# Altium PCB amp.PcbDoc (part 6 of 20)
Units mm, origin at the board's own origin, x right, y up, seen from the top; angles counter-clockwise.
Board outline 210 x 210 mm, 2 copper layers (Top Layer, Bottom Layer); 742 components, 1354 nets, 6402 pads, 5154 vias.
Unrouted connection lines stored in the file: 702.
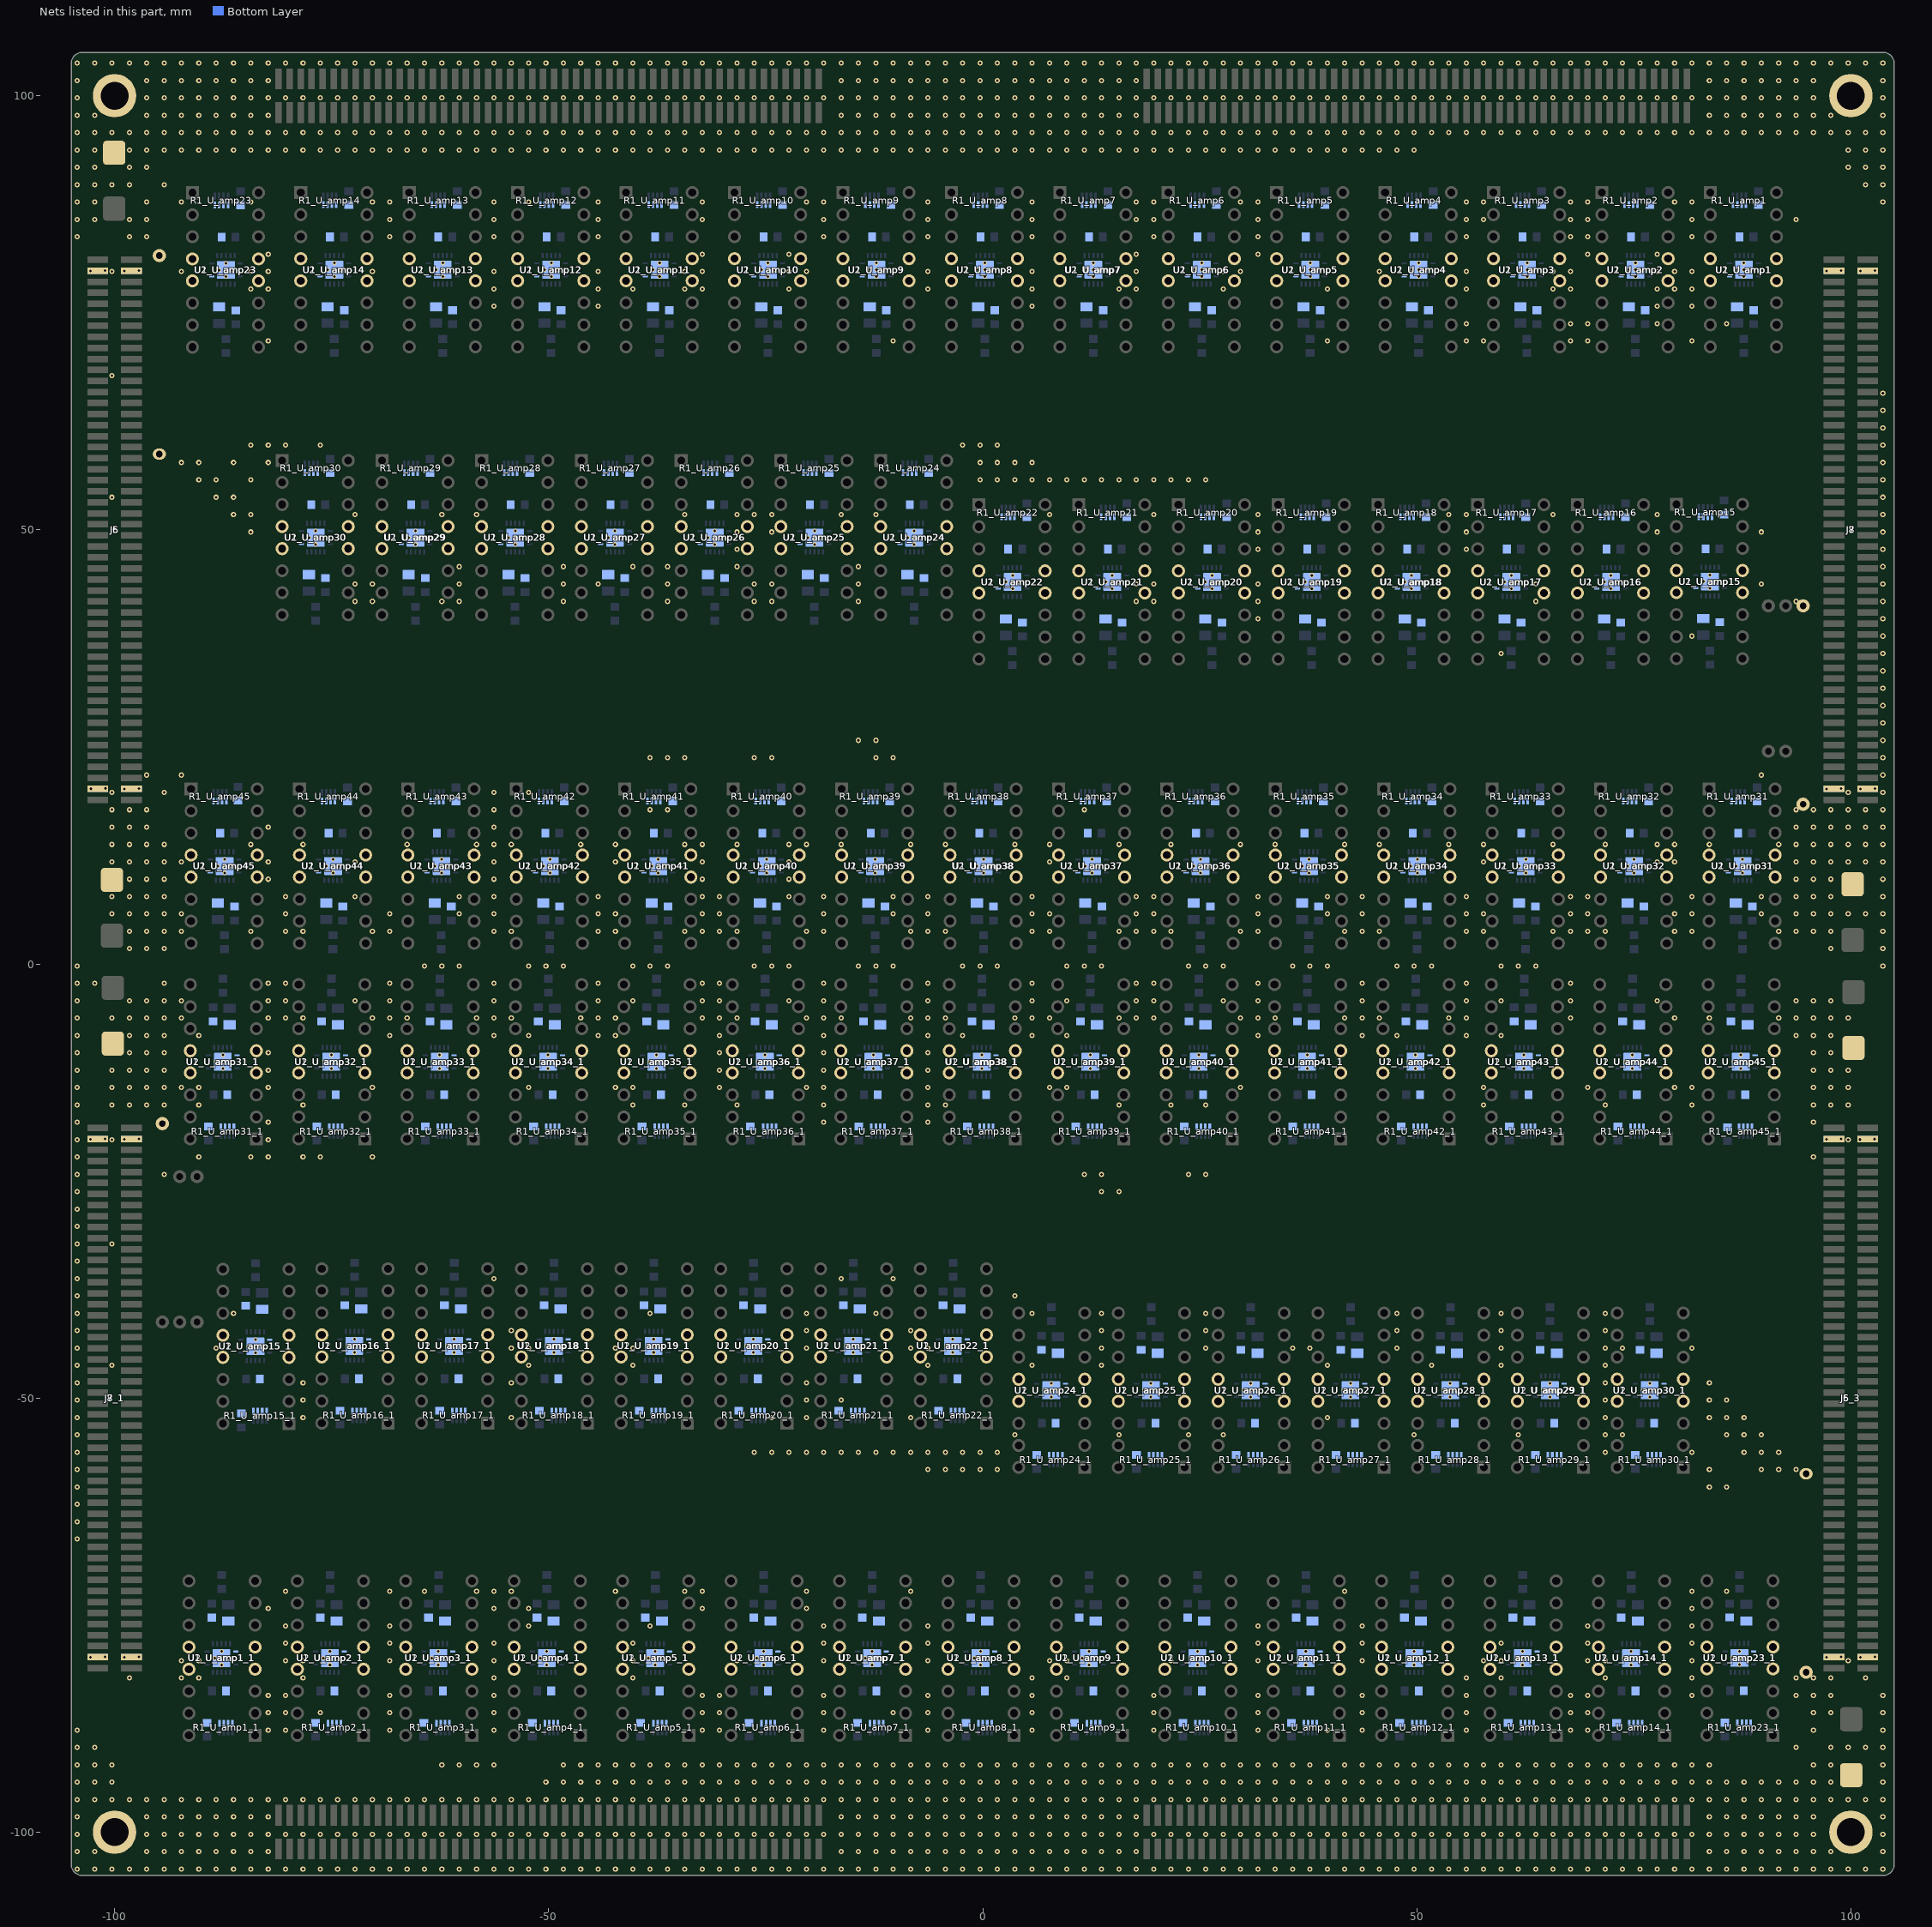
[diagram p6: the nets of this part, all layers, seen from the top]

## Via types
v1: diameter 0.6, hole 0.3, Top Layer to Bottom Layer, tented both sides, 4704 vias
v2: diameter 0.5, hole 0.3, Top Layer to Bottom Layer, 450 vias

## Nets (pads, with @x,y where several pads share a name; then routed paths per layer and width w, separated by ;. In a path a pad name is that pad's centre, name@x,y a point inside that pad or via, vN(x,y) a via of type N, cw(c..) or ccw(c..) an arc to the next point about the centre after c; other vN are vias at no path point) (continued)
GND: C1_U_amp1.1 C1_U_amp1_1.1 C1_U_amp2.1 C1_U_amp2_1.1 C1_U_amp3.1 C1_U_amp3_1.1 C1_U_amp4.1 C1_U_amp4_1.1 C1_U_amp5.1 C1_U_amp5_1.1 C1_U_amp6.1 C1_U_amp6_1.1 C1_U_amp7.1 C1_U_amp7_1.1 C1_U_amp8.1 C1_U_amp8_1.1 C1_U_amp9.1 C1_U_amp9_1.1 C1_U_amp10.1 C1_U_amp10_1.1 C1_U_amp11.1 C1_U_amp11_1.1 C1_U_amp12.1 C1_U_amp12_1.1 C1_U_amp13.1 C1_U_amp13_1.1 C1_U_amp14.1 C1_U_amp14_1.1 C1_U_amp15.1 C1_U_amp15_1.1 C1_U_amp16.1 C1_U_amp16_1.1 C1_U_amp17.1 C1_U_amp17_1.1 C1_U_amp18.1 C1_U_amp18_1.1 C1_U_amp19.1 C1_U_amp19_1.1 C1_U_amp20.1 C1_U_amp20_1.1 C1_U_amp21.1 C1_U_amp21_1.1 C1_U_amp22.1 C1_U_amp22_1.1 C1_U_amp23.1 C1_U_amp23_1.1 C1_U_amp24.1 C1_U_amp24_1.1 C1_U_amp25.1 C1_U_amp25_1.1 C1_U_amp26.1 C1_U_amp26_1.1 C1_U_amp27.1 C1_U_amp27_1.1 C1_U_amp28.1 C1_U_amp28_1.1 C1_U_amp29.1 C1_U_amp29_1.1 C1_U_amp30.1 C1_U_amp30_1.1 C1_U_amp31.1 C1_U_amp31_1.1 C1_U_amp32.1 C1_U_amp32_1.1 C1_U_amp33.1 C1_U_amp33_1.1 C1_U_amp34.1 C1_U_amp34_1.1 C1_U_amp35.1 C1_U_amp35_1.1 C1_U_amp36.1 C1_U_amp36_1.1 C1_U_amp37.1 C1_U_amp37_1.1 C1_U_amp38.1 C1_U_amp38_1.1 C1_U_amp39.1 C1_U_amp39_1.1 C1_U_amp40.1 C1_U_amp40_1.1 C1_U_amp41.1 C1_U_amp41_1.1 C1_U_amp42.1 C1_U_amp42_1.1 C1_U_amp43.1 C1_U_amp43_1.1 C1_U_amp44.1 C1_U_amp44_1.1 C1_U_amp45.1 C1_U_amp45_1.1 C2_U_amp1.1 C2_U_amp1_1.1 C2_U_amp2.1 C2_U_amp2_1.1 C2_U_amp3.1 C2_U_amp3_1.1 C2_U_amp4.1 C2_U_amp4_1.1 C2_U_amp5.1 C2_U_amp5_1.1 C2_U_amp6.1 C2_U_amp6_1.1 C2_U_amp7.1 C2_U_amp7_1.1 C2_U_amp8.1 C2_U_amp8_1.1 C2_U_amp9.1 C2_U_amp9_1.1 C2_U_amp10.1 C2_U_amp10_1.1 C2_U_amp11.1 C2_U_amp11_1.1 C2_U_amp12.1 C2_U_amp12_1.1 C2_U_amp13.1 C2_U_amp13_1.1 C2_U_amp14.1 C2_U_amp14_1.1 C2_U_amp15.1 C2_U_amp15_1.1 C2_U_amp16.1 C2_U_amp16_1.1 C2_U_amp17.1 C2_U_amp17_1.1 C2_U_amp18.1 C2_U_amp18_1.1 C2_U_amp19.1 C2_U_amp19_1.1 C2_U_amp20.1 C2_U_amp20_1.1 C2_U_amp21.1 C2_U_amp21_1.1 C2_U_amp22.1 C2_U_amp22_1.1 C2_U_amp23.1 C2_U_amp23_1.1 C2_U_amp24.1 C2_U_amp24_1.1 C2_U_amp25.1 C2_U_amp25_1.1 C2_U_amp26.1 C2_U_amp26_1.1 C2_U_amp27.1 C2_U_amp27_1.1 C2_U_amp28.1 C2_U_amp28_1.1 C2_U_amp29.1 C2_U_amp29_1.1 C2_U_amp30.1 C2_U_amp30_1.1 C2_U_amp31.1 C2_U_amp31_1.1 C2_U_amp32.1 C2_U_amp32_1.1 C2_U_amp33.1 C2_U_amp33_1.1 C2_U_amp34.1 C2_U_amp34_1.1 C2_U_amp35.1 C2_U_amp35_1.1 C2_U_amp36.1 C2_U_amp36_1.1 C2_U_amp37.1 C2_U_amp37_1.1 C2_U_amp38.1 C2_U_amp38_1.1 C2_U_amp39.1 C2_U_amp39_1.1 C2_U_amp40.1 C2_U_amp40_1.1 C2_U_amp41.1 C2_U_amp41_1.1 C2_U_amp42.1 C2_U_amp42_1.1 C2_U_amp43.1 C2_U_amp43_1.1 C2_U_amp44.1 C2_U_amp44_1.1 C2_U_amp45.1 C2_U_amp45_1.1 C3_U_amp1.1 C3_U_amp1_1.1 C3_U_amp2.1 C3_U_amp2_1.1 C3_U_amp3.1 C3_U_amp3_1.1 C3_U_amp4.1 C3_U_amp4_1.1 C3_U_amp5.1 C3_U_amp5_1.1 C3_U_amp6.1 C3_U_amp6_1.1 C3_U_amp7.1 C3_U_amp7_1.1 C3_U_amp8.1 C3_U_amp8_1.1 C3_U_amp9.1 C3_U_amp9_1.1 C3_U_amp10.1 C3_U_amp10_1.1 C3_U_amp11.1 C3_U_amp11_1.1 C3_U_amp12.1 C3_U_amp12_1.1 C3_U_amp13.1 C3_U_amp13_1.1 C3_U_amp14.1 C3_U_amp14_1.1 C3_U_amp15.1 C3_U_amp15_1.1 C3_U_amp16.1 C3_U_amp16_1.1 C3_U_amp17.1 C3_U_amp17_1.1 C3_U_amp18.1 C3_U_amp18_1.1 C3_U_amp19.1 C3_U_amp19_1.1 C3_U_amp20.1 C3_U_amp20_1.1 C3_U_amp21.1 C3_U_amp21_1.1 C3_U_amp22.1 C3_U_amp22_1.1 C3_U_amp23.1 C3_U_amp23_1.1 C3_U_amp24.1 C3_U_amp24_1.1 C3_U_amp25.1 C3_U_amp25_1.1 C3_U_amp26.1 C3_U_amp26_1.1 C3_U_amp27.1 C3_U_amp27_1.1 C3_U_amp28.1 C3_U_amp28_1.1 C3_U_amp29.1 C3_U_amp29_1.1 C3_U_amp30.1 C3_U_amp30_1.1 C3_U_amp31.1 C3_U_amp31_1.1 C3_U_amp32.1 C3_U_amp32_1.1 C3_U_amp33.1 C3_U_amp33_1.1 C3_U_amp34.1 C3_U_amp34_1.1 C3_U_amp35.1 C3_U_amp35_1.1 C3_U_amp36.1 C3_U_amp36_1.1 C3_U_amp37.1 C3_U_amp37_1.1 C3_U_amp38.1 C3_U_amp38_1.1 C3_U_amp39.1 C3_U_amp39_1.1 C3_U_amp40.1 C3_U_amp40_1.1 C3_U_amp41.1 C3_U_amp41_1.1 C3_U_amp42.1 C3_U_amp42_1.1 C3_U_amp43.1 C3_U_amp43_1.1 C3_U_amp44.1 C3_U_amp44_1.1 C3_U_amp45.1 C3_U_amp45_1.1 C4_U_amp1.1 C4_U_amp1_1.1 C4_U_amp2.1 C4_U_amp2_1.1 C4_U_amp3.1 C4_U_amp3_1.1 C4_U_amp4.1 C4_U_amp4_1.1 C4_U_amp5.1 C4_U_amp5_1.1 C4_U_amp6.1 C4_U_amp6_1.1 C4_U_amp7.1 C4_U_amp7_1.1 C4_U_amp8.1 C4_U_amp8_1.1 C4_U_amp9.1 C4_U_amp9_1.1 C4_U_amp10.1 C4_U_amp10_1.1 C4_U_amp11.1 C4_U_amp11_1.1 C4_U_amp12.1 C4_U_amp12_1.1 C4_U_amp13.1 C4_U_amp13_1.1 C4_U_amp14.1 C4_U_amp14_1.1 C4_U_amp15.1 C4_U_amp15_1.1 C4_U_amp16.1 C4_U_amp16_1.1 C4_U_amp17.1 C4_U_amp17_1.1 C4_U_amp18.1 C4_U_amp18_1.1 C4_U_amp19.1 C4_U_amp19_1.1 C4_U_amp20.1 C4_U_amp20_1.1 C4_U_amp21.1 C4_U_amp21_1.1 C4_U_amp22.1 C4_U_amp22_1.1 C4_U_amp23.1 C4_U_amp23_1.1 C4_U_amp24.1 C4_U_amp24_1.1 C4_U_amp25.1 C4_U_amp25_1.1 C4_U_amp26.1 C4_U_amp26_1.1 C4_U_amp27.1 C4_U_amp27_1.1 C4_U_amp28.1 C4_U_amp28_1.1 C4_U_amp29.1 C4_U_amp29_1.1 C4_U_amp30.1 C4_U_amp30_1.1 C4_U_amp31.1 C4_U_amp31_1.1 C4_U_amp32.1 C4_U_amp32_1.1 C4_U_amp33.1 C4_U_amp33_1.1 C4_U_amp34.1 C4_U_amp34_1.1 C4_U_amp35.1 C4_U_amp35_1.1 C4_U_amp36.1 C4_U_amp36_1.1 C4_U_amp37.1 C4_U_amp37_1.1 C4_U_amp38.1 C4_U_amp38_1.1 C4_U_amp39.1 C4_U_amp39_1.1 C4_U_amp40.1 C4_U_amp40_1.1 C4_U_amp41.1 C4_U_amp41_1.1 C4_U_amp42.1 C4_U_amp42_1.1 C4_U_amp43.1 C4_U_amp43_1.1 C4_U_amp44.1 C4_U_amp44_1.1 C4_U_amp45.1 C4_U_amp45_1.1 Designator1.1 Designator1_1.1 Designator1_2.1 Designator1_3.1 Designator1_4.1 Designator1_5.1 J5.3 J5.4 J5.97 J5.98 J5_3.3 J5_3.4 J5_3.97 J5_3.98 J6.3 J6.4 J6.97 J6.98 J6_3.3 J6_3.4 J6_3.97 J6_3.98 J7.3 J7.4 J7.97 J7.98 J7_1.3 J7_1.4 J7_1.97 J7_1.98 J8.3 J8.4 J8.97 J8.98 J8_1.3 J8_1.4 J8_1.97 J8_1.98 pad.2@94.5,18.39 pad.2@94.5,41.25 pad.2@-94.5,-18.39 pad.3@94.844,-58.725 pad.3@94.844,-81.585 pad.3@-94.844,58.725 pad.3@-94.844,81.585 pad.4 R1_U_amp1.1 R1_U_amp1.2 R1_U_amp1.3 R1_U_amp1.4 R1_U_amp1_1.1 R1_U_amp1_1.2 R1_U_amp1_1.3 R1_U_amp1_1.4 R1_U_amp2.1 R1_U_amp2.2 R1_U_amp2.3 R1_U_amp2.4 R1_U_amp2_1.1 R1_U_amp2_1.2 R1_U_amp2_1.3 R1_U_amp2_1.4 R1_U_amp3.1 R1_U_amp3.2 R1_U_amp3.3 R1_U_amp3.4 R1_U_amp3_1.1 R1_U_amp3_1.2 R1_U_amp3_1.3 R1_U_amp3_1.4 R1_U_amp4.1 R1_U_amp4.2 R1_U_amp4.3 R1_U_amp4.4 R1_U_amp4_1.1 R1_U_amp4_1.2 R1_U_amp4_1.3 R1_U_amp4_1.4 R1_U_amp5.1 R1_U_amp5.2 R1_U_amp5.3 R1_U_amp5.4 R1_U_amp5_1.1 R1_U_amp5_1.2 R1_U_amp5_1.3 R1_U_amp5_1.4 R1_U_amp6.1 R1_U_amp6.2 R1_U_amp6.3 R1_U_amp6.4 R1_U_amp6_1.1 R1_U_amp6_1.2 R1_U_amp6_1.3 R1_U_amp6_1.4 R1_U_amp7.1 R1_U_amp7.2 R1_U_amp7.3 R1_U_amp7.4 R1_U_amp7_1.1 R1_U_amp7_1.2 R1_U_amp7_1.3 R1_U_amp7_1.4 R1_U_amp8.1 R1_U_amp8.2 R1_U_amp8.3 R1_U_amp8.4 R1_U_amp8_1.1 R1_U_amp8_1.2 R1_U_amp8_1.3 R1_U_amp8_1.4 R1_U_amp9.1 R1_U_amp9.2 R1_U_amp9.3 R1_U_amp9.4 R1_U_amp9_1.1 R1_U_amp9_1.2 R1_U_amp9_1.3 R1_U_amp9_1.4 R1_U_amp10.1 R1_U_amp10.2 R1_U_amp10.3 R1_U_amp10.4 R1_U_amp10_1.1 R1_U_amp10_1.2 R1_U_amp10_1.3 R1_U_amp10_1.4 R1_U_amp11.1 R1_U_amp11.2 R1_U_amp11.3 R1_U_amp11.4 R1_U_amp11_1.1 R1_U_amp11_1.2 R1_U_amp11_1.3 R1_U_amp11_1.4 R1_U_amp12.1 R1_U_amp12.2 R1_U_amp12.3 R1_U_amp12.4 R1_U_amp12_1.1 R1_U_amp12_1.2 R1_U_amp12_1.3 R1_U_amp12_1.4 R1_U_amp13.1 R1_U_amp13.2 R1_U_amp13.3 R1_U_amp13.4 R1_U_amp13_1.1 R1_U_amp13_1.2 R1_U_amp13_1.3 R1_U_amp13_1.4 R1_U_amp14.1 R1_U_amp14.2 R1_U_amp14.3 R1_U_amp14.4 R1_U_amp14_1.1 R1_U_amp14_1.2 R1_U_amp14_1.3 R1_U_amp14_1.4 R1_U_amp15.1 R1_U_amp15.2 R1_U_amp15.3 R1_U_amp15.4 R1_U_amp15_1.1 R1_U_amp15_1.2 R1_U_amp15_1.3 R1_U_amp15_1.4 R1_U_amp16.1 R1_U_amp16.2 R1_U_amp16.3 R1_U_amp16.4 R1_U_amp16_1.1 R1_U_amp16_1.2 R1_U_amp16_1.3 R1_U_amp16_1.4 R1_U_amp17.1 R1_U_amp17.2 R1_U_amp17.3 R1_U_amp17.4 R1_U_amp17_1.1 R1_U_amp17_1.2 R1_U_amp17_1.3 R1_U_amp17_1.4 R1_U_amp18.1 R1_U_amp18.2 R1_U_amp18.3 R1_U_amp18.4 R1_U_amp18_1.1 R1_U_amp18_1.2 R1_U_amp18_1.3 R1_U_amp18_1.4 R1_U_amp19.1 R1_U_amp19.2 R1_U_amp19.3 R1_U_amp19.4 R1_U_amp19_1.1 R1_U_amp19_1.2 R1_U_amp19_1.3 R1_U_amp19_1.4 R1_U_amp20.1 R1_U_amp20.2 R1_U_amp20.3 R1_U_amp20.4 R1_U_amp20_1.1 R1_U_amp20_1.2 R1_U_amp20_1.3 R1_U_amp20_1.4 R1_U_amp21.1 R1_U_amp21.2 R1_U_amp21.3 R1_U_amp21.4 R1_U_amp21_1.1 R1_U_amp21_1.2 R1_U_amp21_1.3 R1_U_amp21_1.4 R1_U_amp22.1 R1_U_amp22.2 R1_U_amp22.3 R1_U_amp22.4 R1_U_amp22_1.1 R1_U_amp22_1.2 R1_U_amp22_1.3 R1_U_amp22_1.4 R1_U_amp23.1 R1_U_amp23.2 R1_U_amp23.3 R1_U_amp23.4 R1_U_amp23_1.1 R1_U_amp23_1.2 R1_U_amp23_1.3 R1_U_amp23_1.4 R1_U_amp24.1 R1_U_amp24.2 R1_U_amp24.3 R1_U_amp24.4 R1_U_amp24_1.1 R1_U_amp24_1.2 R1_U_amp24_1.3 R1_U_amp24_1.4 R1_U_amp25.1 R1_U_amp25.2 R1_U_amp25.3 R1_U_amp25.4 R1_U_amp25_1.1 R1_U_amp25_1.2 R1_U_amp25_1.3 R1_U_amp25_1.4 R1_U_amp26.1 R1_U_amp26.2 R1_U_amp26.3 R1_U_amp26.4 R1_U_amp26_1.1 R1_U_amp26_1.2 R1_U_amp26_1.3 R1_U_amp26_1.4 R1_U_amp27.1 R1_U_amp27.2 R1_U_amp27.3 R1_U_amp27.4 R1_U_amp27_1.1 R1_U_amp27_1.2 R1_U_amp27_1.3 R1_U_amp27_1.4 R1_U_amp28.1 R1_U_amp28.2 R1_U_amp28.3 R1_U_amp28.4 R1_U_amp28_1.1 R1_U_amp28_1.2 R1_U_amp28_1.3 R1_U_amp28_1.4 R1_U_amp29.1 R1_U_amp29.2 R1_U_amp29.3 R1_U_amp29.4 R1_U_amp29_1.1 R1_U_amp29_1.2 R1_U_amp29_1.3 R1_U_amp29_1.4 R1_U_amp30.1 R1_U_amp30.2 R1_U_amp30.3 R1_U_amp30.4 R1_U_amp30_1.1 R1_U_amp30_1.2 R1_U_amp30_1.3 R1_U_amp30_1.4 R1_U_amp31.1 R1_U_amp31.2 R1_U_amp31.3 R1_U_amp31.4 R1_U_amp31_1.1 R1_U_amp31_1.2 R1_U_amp31_1.3 R1_U_amp31_1.4 R1_U_amp32.1 R1_U_amp32.2 R1_U_amp32.3 R1_U_amp32.4 R1_U_amp32_1.1 R1_U_amp32_1.2 R1_U_amp32_1.3 R1_U_amp32_1.4 R1_U_amp33.1 R1_U_amp33.2 R1_U_amp33.3 R1_U_amp33.4 R1_U_amp33_1.1 R1_U_amp33_1.2 R1_U_amp33_1.3 R1_U_amp33_1.4 R1_U_amp34.1 R1_U_amp34.2 R1_U_amp34.3 R1_U_amp34.4 R1_U_amp34_1.1 R1_U_amp34_1.2 R1_U_amp34_1.3 R1_U_amp34_1.4 R1_U_amp35.1 R1_U_amp35.2 R1_U_amp35.3 R1_U_amp35.4 R1_U_amp35_1.1 R1_U_amp35_1.2 R1_U_amp35_1.3 R1_U_amp35_1.4 R1_U_amp36.1 R1_U_amp36.2 R1_U_amp36.3 R1_U_amp36.4 R1_U_amp36_1.1 R1_U_amp36_1.2 R1_U_amp36_1.3 R1_U_amp36_1.4 R1_U_amp37.1 R1_U_amp37.2 R1_U_amp37.3 R1_U_amp37.4 R1_U_amp37_1.1 R1_U_amp37_1.2 R1_U_amp37_1.3 R1_U_amp37_1.4 R1_U_amp38.1 R1_U_amp38.2 R1_U_amp38.3 R1_U_amp38.4 R1_U_amp38_1.1 R1_U_amp38_1.2 R1_U_amp38_1.3 R1_U_amp38_1.4 R1_U_amp39.1 R1_U_amp39.2 R1_U_amp39.3 R1_U_amp39.4 R1_U_amp39_1.1 R1_U_amp39_1.2 R1_U_amp39_1.3 R1_U_amp39_1.4 R1_U_amp40.1 R1_U_amp40.2 R1_U_amp40.3 R1_U_amp40.4 R1_U_amp40_1.1 R1_U_amp40_1.2 R1_U_amp40_1.3 R1_U_amp40_1.4 R1_U_amp41.1 R1_U_amp41.2 R1_U_amp41.3 R1_U_amp41.4 R1_U_amp41_1.1 R1_U_amp41_1.2 R1_U_amp41_1.3 R1_U_amp41_1.4 R1_U_amp42.1 R1_U_amp42.2 R1_U_amp42.3 R1_U_amp42.4 R1_U_amp42_1.1 R1_U_amp42_1.2 R1_U_amp42_1.3 R1_U_amp42_1.4 R1_U_amp43.1 R1_U_amp43.2 R1_U_amp43.3 R1_U_amp43.4 R1_U_amp43_1.1 R1_U_amp43_1.2 R1_U_amp43_1.3 R1_U_amp43_1.4 R1_U_amp44.1 R1_U_amp44.2 R1_U_amp44.3 R1_U_amp44.4 R1_U_amp44_1.1 R1_U_amp44_1.2 R1_U_amp44_1.3 R1_U_amp44_1.4 R1_U_amp45.1 R1_U_amp45.2 R1_U_amp45.3 R1_U_amp45.4 R1_U_amp45_1.1 R1_U_amp45_1.2 R1_U_amp45_1.3 R1_U_amp45_1.4 U1_U_amp1.7 U1_U_amp1.15@87.687,79.955 U1_U_amp1_1.7 U1_U_amp1_1.15@-87.687,-79.955 U1_U_amp2.7 U1_U_amp2.15@75.197,79.955 U1_U_amp2_1.7 U1_U_amp2_1.15@-75.197,-79.955 U1_U_amp3.7 U1_U_amp3.15@62.707,79.955 U1_U_amp3_1.7 U1_U_amp3_1.15@-62.707,-79.955 U1_U_amp4.7 U1_U_amp4.15@50.217,79.955 U1_U_amp4_1.7 U1_U_amp4_1.15@-50.217,-79.955 U1_U_amp5.7 U1_U_amp5.15@37.727,79.955 U1_U_amp5_1.7 U1_U_amp5_1.15@-37.727,-79.955 U1_U_amp6.7 U1_U_amp6.15@25.236,79.955 U1_U_amp6_1.7 U1_U_amp6_1.15@-25.236,-79.955 U1_U_amp7.7 U1_U_amp7.15@12.746,79.955 U1_U_amp7_1.7 U1_U_amp7_1.15@-12.746,-79.955 U1_U_amp8.7 U1_U_amp8.15@0.256,79.955 U1_U_amp8_1.7 U1_U_amp8_1.15@-0.256,-79.955 U1_U_amp9.7 U1_U_amp9.15@-12.234,79.955 U1_U_amp9_1.7 U1_U_amp9_1.15@12.234,-79.955 U1_U_amp10.7 U1_U_amp10.15@-24.724,79.955 U1_U_amp10_1.7 U1_U_amp10_1.15@24.724,-79.955 U1_U_amp11.7 U1_U_amp11.15@-37.215,79.955 U1_U_amp11_1.7 U1_U_amp11_1.15@37.215,-79.955 U1_U_amp12.7 U1_U_amp12.15@-49.705,79.955 U1_U_amp12_1.7 U1_U_amp12_1.15@49.705,-79.955 U1_U_amp13.7 U1_U_amp13.15@-62.195,79.955 U1_U_amp13_1.7 U1_U_amp13_1.15@62.195,-79.955 U1_U_amp14.7 U1_U_amp14.15@-74.685,79.955 U1_U_amp14_1.7 U1_U_amp14_1.15@74.685,-79.955 U1_U_amp15.7 U1_U_amp15.15@83.775,44.039 U1_U_amp15_1.7 U1_U_amp15_1.15@-83.775,-44.039 U1_U_amp16.7 U1_U_amp16.15@72.377,43.995 U1_U_amp16_1.7 U1_U_amp16_1.15@-72.377,-43.995 U1_U_amp17.7 U1_U_amp17.15@60.887,43.995 U1_U_amp17_1.7 U1_U_amp17_1.15@-60.887,-43.995 U1_U_amp18.7 U1_U_amp18.15@49.397,43.995 U1_U_amp18_1.7 U1_U_amp18_1.15@-49.397,-43.995 U1_U_amp19.7 U1_U_amp19.15@37.907,43.995 U1_U_amp19_1.7 U1_U_amp19_1.15@-37.907,-43.995 U1_U_amp20.7 U1_U_amp20.15@26.416,43.995 U1_U_amp20_1.7 U1_U_amp20_1.15@-26.416,-43.995 U1_U_amp21.7 U1_U_amp21.15@14.926,43.995 U1_U_amp21_1.7 U1_U_amp21_1.15@-14.926,-43.995 U1_U_amp22.7 U1_U_amp22.15@3.436,43.995 U1_U_amp22_1.7 U1_U_amp22_1.15@-3.436,-43.995 U1_U_amp23.7 U1_U_amp23.15@-87.174,79.935 U1_U_amp23_1.7 U1_U_amp23_1.15@87.174,-79.935 U1_U_amp24.7 U1_U_amp24.15@-7.89,49.101 U1_U_amp24_1.7 U1_U_amp24_1.15@7.89,-49.101 U1_U_amp25.7 U1_U_amp25.15@-19.38,49.101 U1_U_amp25_1.7 U1_U_amp25_1.15@19.38,-49.101 U1_U_amp26.7 U1_U_amp26.15@-30.87,49.101 U1_U_amp26_1.7 U1_U_amp26_1.15@30.87,-49.101 U1_U_amp27.7 U1_U_amp27.15@-42.361,49.101 U1_U_amp27_1.7 U1_U_amp27_1.15@42.361,-49.101 U1_U_amp28.7 U1_U_amp28.15@-53.851,49.101 U1_U_amp28_1.7 U1_U_amp28_1.15@53.851,-49.101 U1_U_amp29.7 U1_U_amp29.15@-65.341,49.101 U1_U_amp29_1.7 U1_U_amp29_1.15@65.341,-49.101 U1_U_amp30.7 U1_U_amp30.15@-76.831,49.101 U1_U_amp30_1.7 U1_U_amp30_1.15@76.831,-49.101 U1_U_amp31.7 U1_U_amp31.15@87.535,11.268 U1_U_amp31_1.7 U1_U_amp31_1.15@-87.535,-11.268 U1_U_amp32.7 U1_U_amp32.15@75.045,11.268 U1_U_amp32_1.7 U1_U_amp32_1.15@-75.045,-11.268 U1_U_amp33.7 U1_U_amp33.15@62.555,11.268 U1_U_amp33_1.7 U1_U_amp33_1.15@-62.555,-11.268 U1_U_amp34.7 U1_U_amp34.15@50.064,11.268 U1_U_amp34_1.7 U1_U_amp34_1.15@-50.064,-11.268 U1_U_amp35.7 U1_U_amp35.15@37.574,11.268 U1_U_amp35_1.7 U1_U_amp35_1.15@-37.574,-11.268 U1_U_amp36.7 U1_U_amp36.15@25.084,11.268 U1_U_amp36_1.7 U1_U_amp36_1.15@-25.084,-11.268 U1_U_amp37.7 U1_U_amp37.15@12.594,11.268 U1_U_amp37_1.7 U1_U_amp37_1.15@-12.594,-11.268 U1_U_amp38.7 U1_U_amp38.15@0.104,11.268 U1_U_amp38_1.7 U1_U_amp38_1.15@-0.104,-11.268 U1_U_amp39.7 U1_U_amp39.15@-12.387,11.268 U1_U_amp39_1.7 U1_U_amp39_1.15@12.387,-11.268 U1_U_amp40.7 U1_U_amp40.15@-24.877,11.268 U1_U_amp40_1.7 U1_U_amp40_1.15@24.877,-11.268 U1_U_amp41.7 U1_U_amp41.15@-37.367,11.268 U1_U_amp41_1.7 U1_U_amp41_1.15@37.367,-11.268 U1_U_amp42.7 U1_U_amp42.15@-49.857,11.268 U1_U_amp42_1.7 U1_U_amp42_1.15@49.857,-11.268 U1_U_amp43.7 U1_U_amp43.15@-62.347,11.268 U1_U_amp43_1.7 U1_U_amp43_1.15@62.347,-11.268 U1_U_amp44.7 U1_U_amp44.15@-74.838,11.268 U1_U_amp44_1.7 U1_U_amp44_1.15@74.838,-11.268 U1_U_amp45.7 U1_U_amp45.15@-87.328,11.268 U1_U_amp45_1.7 U1_U_amp45_1.15@87.328,-11.268 U2_U_amp1.4 U2_U_amp1.5 U2_U_amp1.12 U2_U_amp1.13 U2_U_amp1_1.4 U2_U_amp1_1.5 U2_U_amp1_1.12 U2_U_amp1_1.13 U2_U_amp2.4 U2_U_amp2.5 U2_U_amp2.12 U2_U_amp2.13 U2_U_amp2_1.4 U2_U_amp2_1.5 U2_U_amp2_1.12 U2_U_amp2_1.13 U2_U_amp3.4 U2_U_amp3.5 U2_U_amp3.12 U2_U_amp3.13 U2_U_amp3_1.4 U2_U_amp3_1.5 U2_U_amp3_1.12 U2_U_amp3_1.13 U2_U_amp4.4 U2_U_amp4.5 U2_U_amp4.12 U2_U_amp4.13 U2_U_amp4_1.4 U2_U_amp4_1.5 U2_U_amp4_1.12 U2_U_amp4_1.13 U2_U_amp5.4 U2_U_amp5.5 U2_U_amp5.12 U2_U_amp5.13 U2_U_amp5_1.4 U2_U_amp5_1.5 U2_U_amp5_1.12 U2_U_amp5_1.13 U2_U_amp6.4 U2_U_amp6.5 U2_U_amp6.12 U2_U_amp6.13 U2_U_amp6_1.4 U2_U_amp6_1.5 U2_U_amp6_1.12 U2_U_amp6_1.13 U2_U_amp7.4 U2_U_amp7.5 U2_U_amp7.12 U2_U_amp7.13 U2_U_amp7_1.4 U2_U_amp7_1.5 U2_U_amp7_1.12 U2_U_amp7_1.13 U2_U_amp8.4 U2_U_amp8.5 U2_U_amp8.12 U2_U_amp8.13 U2_U_amp8_1.4 U2_U_amp8_1.5 U2_U_amp8_1.12 U2_U_amp8_1.13 U2_U_amp9.4 U2_U_amp9.5 U2_U_amp9.12 U2_U_amp9.13 U2_U_amp9_1.4 U2_U_amp9_1.5 U2_U_amp9_1.12 U2_U_amp9_1.13 U2_U_amp10.4 U2_U_amp10.5 U2_U_amp10.12 U2_U_amp10.13 U2_U_amp10_1.4 U2_U_amp10_1.5 U2_U_amp10_1.12 U2_U_amp10_1.13 U2_U_amp11.4 U2_U_amp11.5 U2_U_amp11.12 U2_U_amp11.13 U2_U_amp11_1.4 U2_U_amp11_1.5 U2_U_amp11_1.12 U2_U_amp11_1.13 U2_U_amp12.4 U2_U_amp12.5 U2_U_amp12.12 U2_U_amp12.13 U2_U_amp12_1.4 U2_U_amp12_1.5 U2_U_amp12_1.12 U2_U_amp12_1.13 U2_U_amp13.4 U2_U_amp13.5 U2_U_amp13.12 U2_U_amp13.13 U2_U_amp13_1.4 U2_U_amp13_1.5 U2_U_amp13_1.12 U2_U_amp13_1.13 U2_U_amp14.4 U2_U_amp14.5 U2_U_amp14.12 U2_U_amp14.13 U2_U_amp14_1.4 U2_U_amp14_1.5 U2_U_amp14_1.12 U2_U_amp14_1.13 U2_U_amp15.4 U2_U_amp15.5 U2_U_amp15.12 U2_U_amp15.13 U2_U_amp15_1.4 U2_U_amp15_1.5 U2_U_amp15_1.12 U2_U_amp15_1.13 U2_U_amp16.4 U2_U_amp16.5 U2_U_amp16.12 U2_U_amp16.13 U2_U_amp16_1.4 U2_U_amp16_1.5 U2_U_amp16_1.12 U2_U_amp16_1.13 U2_U_amp17.4 U2_U_amp17.5 U2_U_amp17.12 U2_U_amp17.13 U2_U_amp17_1.4 U2_U_amp17_1.5 U2_U_amp17_1.12 U2_U_amp17_1.13 U2_U_amp18.4 U2_U_amp18.5 U2_U_amp18.12 U2_U_amp18.13 U2_U_amp18_1.4 U2_U_amp18_1.5 U2_U_amp18_1.12 U2_U_amp18_1.13 U2_U_amp19.4 U2_U_amp19.5 U2_U_amp19.12 U2_U_amp19.13 U2_U_amp19_1.4 U2_U_amp19_1.5 U2_U_amp19_1.12 U2_U_amp19_1.13 U2_U_amp20.4 U2_U_amp20.5 U2_U_amp20.12 U2_U_amp20.13 U2_U_amp20_1.4 U2_U_amp20_1.5 U2_U_amp20_1.12 U2_U_amp20_1.13 U2_U_amp21.4 U2_U_amp21.5 U2_U_amp21.12 U2_U_amp21.13 U2_U_amp21_1.4 U2_U_amp21_1.5 U2_U_amp21_1.12 U2_U_amp21_1.13 U2_U_amp22.4 U2_U_amp22.5 U2_U_amp22.12 U2_U_amp22.13 U2_U_amp22_1.4 U2_U_amp22_1.5 U2_U_amp22_1.12 U2_U_amp22_1.13 U2_U_amp23.4 U2_U_amp23.5 U2_U_amp23.12 U2_U_amp23.13 U2_U_amp23_1.4 U2_U_amp23_1.5 U2_U_amp23_1.12 U2_U_amp23_1.13 U2_U_amp24.4 U2_U_amp24.5 U2_U_amp24.12 U2_U_amp24.13 U2_U_amp24_1.4 U2_U_amp24_1.5 U2_U_amp24_1.12 U2_U_amp24_1.13 U2_U_amp25.4 U2_U_amp25.5 U2_U_amp25.12 U2_U_amp25.13 U2_U_amp25_1.4 U2_U_amp25_1.5 U2_U_amp25_1.12 U2_U_amp25_1.13 U2_U_amp26.4 U2_U_amp26.5 U2_U_amp26.12 U2_U_amp26.13 U2_U_amp26_1.4 U2_U_amp26_1.5 U2_U_amp26_1.12 U2_U_amp26_1.13 U2_U_amp27.4 U2_U_amp27.5 U2_U_amp27.12 U2_U_amp27.13 U2_U_amp27_1.4 U2_U_amp27_1.5 U2_U_amp27_1.12 U2_U_amp27_1.13 U2_U_amp28.4 U2_U_amp28.5 U2_U_amp28.12 U2_U_amp28.13 U2_U_amp28_1.4 U2_U_amp28_1.5 U2_U_amp28_1.12 U2_U_amp28_1.13 U2_U_amp29.4 U2_U_amp29.5 U2_U_amp29.12 U2_U_amp29.13 U2_U_amp29_1.4 U2_U_amp29_1.5 U2_U_amp29_1.12 U2_U_amp29_1.13 U2_U_amp30.4 U2_U_amp30.5 U2_U_amp30.12 U2_U_amp30.13 U2_U_amp30_1.4 U2_U_amp30_1.5 U2_U_amp30_1.12 U2_U_amp30_1.13 U2_U_amp31.4 U2_U_amp31.5 U2_U_amp31.12 U2_U_amp31.13 U2_U_amp31_1.4 U2_U_amp31_1.5 U2_U_amp31_1.12 U2_U_amp31_1.13 U2_U_amp32.4 U2_U_amp32.5 U2_U_amp32.12 U2_U_amp32.13 U2_U_amp32_1.4 U2_U_amp32_1.5 U2_U_amp32_1.12 U2_U_amp32_1.13 U2_U_amp33.4 U2_U_amp33.5 U2_U_amp33.12 U2_U_amp33.13 U2_U_amp33_1.4 U2_U_amp33_1.5 U2_U_amp33_1.12 U2_U_amp33_1.13 U2_U_amp34.4 U2_U_amp34.5 U2_U_amp34.12 U2_U_amp34.13 U2_U_amp34_1.4 U2_U_amp34_1.5 U2_U_amp34_1.12 U2_U_amp34_1.13 U2_U_amp35.4 U2_U_amp35.5 U2_U_amp35.12 U2_U_amp35.13 U2_U_amp35_1.4 U2_U_amp35_1.5 U2_U_amp35_1.12 U2_U_amp35_1.13 U2_U_amp36.4 U2_U_amp36.5 U2_U_amp36.12 U2_U_amp36.13 U2_U_amp36_1.4 U2_U_amp36_1.5 U2_U_amp36_1.12 U2_U_amp36_1.13 U2_U_amp37.4 U2_U_amp37.5 U2_U_amp37.12 U2_U_amp37.13 U2_U_amp37_1.4 U2_U_amp37_1.5 U2_U_amp37_1.12 U2_U_amp37_1.13 U2_U_amp38.4 U2_U_amp38.5 U2_U_amp38.12 U2_U_amp38.13 U2_U_amp38_1.4 U2_U_amp38_1.5 U2_U_amp38_1.12 U2_U_amp38_1.13 U2_U_amp39.4 U2_U_amp39.5 U2_U_amp39.12 U2_U_amp39.13 U2_U_amp39_1.4 U2_U_amp39_1.5 U2_U_amp39_1.12 U2_U_amp39_1.13 U2_U_amp40.4 U2_U_amp40.5 U2_U_amp40.12 U2_U_amp40.13 U2_U_amp40_1.4 U2_U_amp40_1.5 U2_U_amp40_1.12 U2_U_amp40_1.13 U2_U_amp41.4 U2_U_amp41.5 U2_U_amp41.12 U2_U_amp41.13 U2_U_amp41_1.4 U2_U_amp41_1.5 U2_U_amp41_1.12 U2_U_amp41_1.13 U2_U_amp42.4 U2_U_amp42.5 U2_U_amp42.12 U2_U_amp42.13 U2_U_amp42_1.4 U2_U_amp42_1.5 U2_U_amp42_1.12 U2_U_amp42_1.13 U2_U_amp43.4 U2_U_amp43.5 U2_U_amp43.12 U2_U_amp43.13 U2_U_amp43_1.4 U2_U_amp43_1.5 U2_U_amp43_1.12 U2_U_amp43_1.13 U2_U_amp44.4 U2_U_amp44.5 U2_U_amp44.12 U2_U_amp44.13 U2_U_amp44_1.4 U2_U_amp44_1.5 U2_U_amp44_1.12 U2_U_amp44_1.13 U2_U_amp45.4 U2_U_amp45.5 U2_U_amp45.12 U2_U_amp45.13 U2_U_amp45_1.4 U2_U_amp45_1.5 U2_U_amp45_1.12 U2_U_amp45_1.13 | length 0